# Altium PCB PCB1.PcbDoc (part 1 of 2) (continued)
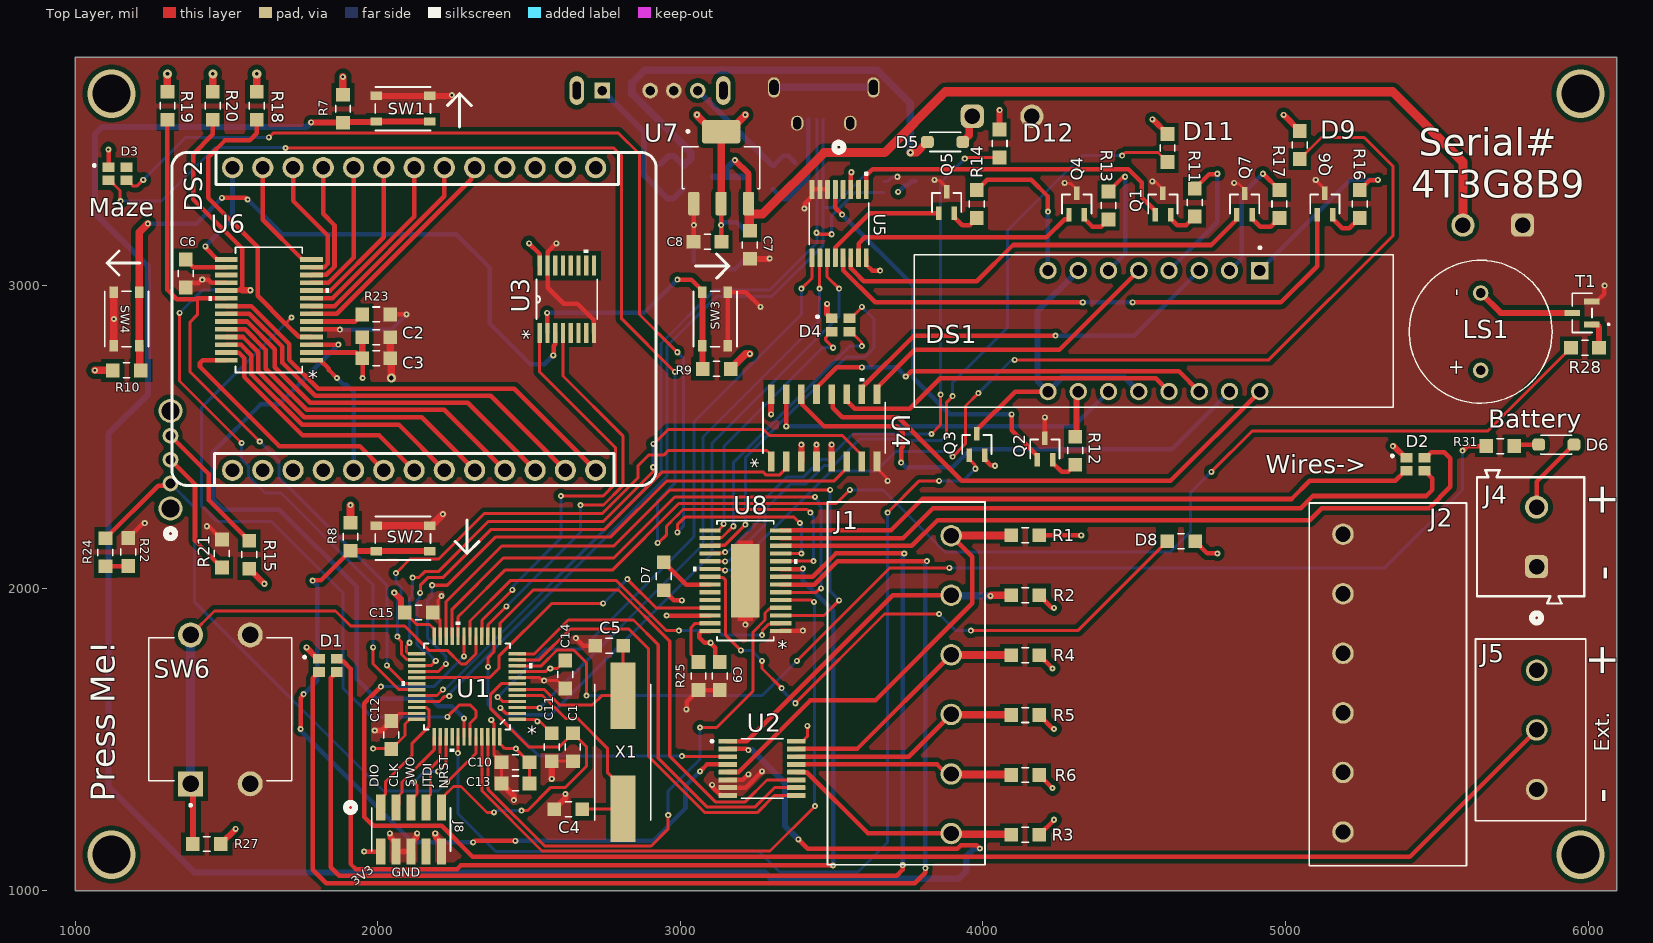
[diagram p0: Top Layer view]
## Footprints (in the part's own frame and the unit in brackets; to place one, negate y for a bottom-side part, rotate by r counter-clockwise, add the part's x,y. Pads: shape width x height; smd on the part's side, far side on the other; paste and mask are expansions set on the pad)
"16-DIP 4CHAR-7SEG" [mm]
  rect 1.458x1.458 / inner round 1.458 / far side rect 1.458x1.458 hole 0.95: 1(-8.89,-5.08)
  round 1.458 hole 0.95: 2(-6.35,-5.08) 3(-3.81,-5.08) 4(-1.27,-5.08) 5(1.27,-5.08) 6(3.81,-5.08) 7(6.35,-5.08) 8(8.89,-5.08) 9(8.89,5.08) 10(6.35,5.08) 11(3.81,5.08) 12(1.27,5.08) 13(-1.27,5.08) 14(-3.81,5.08) 15(-6.35,5.08) 16(-8.89,5.08)
  silkscreen extent -20.1,-7.1 20.1,6.4, body extent -20.1,-6.4 20.1,6.4, height 7
"16-SOIC 7-SEG DRIVER" [mil]
  rect 65.5x22 smd paste+0 mask+5: 1(-111.25,175) 2(-111.25,125) 3(-111.25,75) 4(-111.25,25) 5(-111.25,-25) 6(-111.25,-75) 7(-111.25,-125) 8(-111.25,-175) 9(111.25,-175) 10(111.25,-125) 11(111.25,-75) 12(111.25,-25) 13(111.25,25) 14(111.25,75) 15(111.25,125) 16(111.25,175)
  silkscreen extent -84,-202 164,202, body extent -122,-197 122,197, height 69
"16-TSSOP 1:2 SWITCH SN74CBTLV3257PWR" [mil]
  rect 66x14 smd paste-33 mask+0: 1(-111,89.57) 2(-111,63.98) 3(-111,38.39) 4(-111,12.8) 5(-111,-12.8) 6(-111,-38.39) 7(-111,-63.98) 8(-111,-89.57) 9(111,-89.57) 10(111,-63.98) 11(111,-38.39) 12(111,-12.8) 13(111,12.8) 14(111,38.39) 15(111,63.98) 16(111,89.57)
  silkscreen extent -66,-100 164,100, body extent -130,-101 130,101, height 47
"16-TSSOP MUX 8TO1" [mm]
  rrect25% 1.57x0.41 smd mask+0: 1(-2.87,2.275) 2(-2.87,1.625) 3(-2.87,0.975) 4(-2.87,0.325) 5(-2.87,-0.325) 6(-2.87,-0.975) 7(-2.87,-1.625) 8(-2.87,-2.275) 9(2.87,-2.275) 10(2.87,-1.625) 11(2.87,-0.975) 12(2.87,-0.325) 13(2.87,0.325) 14(2.87,0.975) 15(2.87,1.625) 16(2.87,2.275)
  silkscreen extent -4.29,-2.5 1.77,2.5
"28-HTSSOP 16LED DRIVER" [mil]
  rect 70x14 smd paste+0 mask+0: 1(-117,166.34) 2(-117,140.75) 3(-117,115.16) 4(-117,89.57) 5(-117,63.98) 6(-117,38.39) 7(-117,12.8) 8(-117,-12.8) 9(-117,-38.39) 10(-117,-63.98) 11(-117,-89.57) 12(-117,-115.16) 13(-117,-140.75) 14(-117,-166.34) 15(117,-166.34) 16(117,-140.75) 17(117,-115.16) 18(117,-89.57) 19(117,-63.98) 20(117,-38.39) 21(117,-12.8) 22(117,12.8) 23(117,38.39) 24(117,63.98) 25(117,89.57) 26(117,115.16) 27(117,140.75) 28(117,166.34)
  rect 94.49x242.91 smd paste+0 mask+0: 29(0,0)
  Top Layer region: 24.61,-121.46 -24.61,-121.46 -24.61,-121.46 -24.61,-121.46 -24.61,-131.69 24.61,-131.69 24.61,-121.46 24.61,-121.46
  Top Layer region: 24.61,121.46 -24.61,121.46 -24.61,121.46 -24.61,121.46 -24.61,131.69 24.61,131.69 24.61,121.46 24.61,121.46
  silkscreen extent -172,-198 172,198, body extent -130,-193 130,193, height 67
"28-SSOP LED MATRIX DRIVER" [mil]
  rect 75x16 smd paste+0 mask+0: 1(-141,166.34) 2(-141,140.75) 3(-141,115.16) 4(-141,89.57) 5(-141,63.98) 6(-141,38.39) 7(-141,12.8) 8(-141,-12.8) 9(-141,-38.39) 10(-141,-63.98) 11(-141,-89.57) 12(-141,-115.16) 13(-141,-140.75) 14(-141,-166.34) 15(141,-166.34) 16(141,-140.75) 17(141,-115.16) 18(141,-89.57) 19(141,-63.98) 20(141,-38.39) 21(141,-12.8) 22(141,12.8) 23(141,38.39) 24(141,63.98) 25(141,89.57) 26(141,115.16) 27(141,140.75) 28(141,166.34)
  silkscreen extent -198,-207 198,207, body extent -156,-202 156,202, height 79
48-LQFP [mil]
  rect 58x11 smd paste+0 mask+0: 1(-166,108.27) 2(-166,88.58) 3(-166,68.9) 4(-166,49.21) 5(-166,29.53) 6(-166,9.84) 7(-166,-9.84) 8(-166,-29.53) 9(-166,-49.21) 10(-166,-68.9) 11(-166,-88.58) 12(-166,-108.27) 25(166,-108.27) 26(166,-88.58) 27(166,-68.9) 28(166,-49.21) 29(166,-29.53) 30(166,-9.84) 31(166,9.84) 32(166,29.53) 33(166,49.21) 34(166,68.9) 35(166,88.58) 36(166,108.27)
  rect 11x58 smd paste+0 mask+0: 13(-108.27,-166) 14(-88.58,-166) 15(-68.9,-166) 16(-49.21,-166) 17(-29.53,-166) 18(-9.84,-166) 19(9.84,-166) 20(29.53,-166) 21(49.21,-166) 22(68.9,-166) 23(88.58,-166) 24(108.27,-166) 37(108.27,166) 38(88.58,166) 39(68.9,166) 40(49.21,166) 41(29.53,166) 42(9.84,166) 43(-9.84,166) 44(-29.53,166) 45(-49.21,166) 46(-68.9,166) 47(-88.58,166) 48(-108.27,166)
  silkscreen extent -215,-215 215,215, body extent -181,-181 181,181, height 63
0805 [mm]
  rect 1.15x1.15 smd: 1(-1.175,0) 2(1.175,0)
  silkscreen extent -0.28,-0.63 0.28,0.63, body extent -1,-0.63 1,0.63, height 0.7
"BUZZER CEM-1203(42)" [mm]
  round 1.308 hole 0.8: N(3.25,0) P(-3.25,0)
  silkscreen extent -6,-6 6,6, body extent -6,-6 6,6, height 8.5
"CON 2POS SCREW 5.00MM" [mm]
  rrect50% 1.95x1.95 hole 1.3: 1(-2.5,-0.5)
  round 1.95 hole 1.3: 2(2.5,-0.5)
  silkscreen extent -5.6,-4.5 5.6,4.5, body extent -5.6,-4.5 5.6,4.5, height 12.65
"CON 6POS SCREW 5.00MM" [mil] "45deg"
  round 71 / inner round 60 / far side round 71 hole 51 paste-99999 mask+0: 1(-984.25,0) 2(-787.4,0) 3(-590.55,0) 4(-393.7,0) 5(-196.85,0) 6(0,0)
  silkscreen extent -1088,-111 111,409, body extent -1079,-107 125,397, height 469
"CON 10PIN 2ROW 1.27MM" [mil]
  rect 30x87 smd paste+0 mask+0: 1(0,0) 2(50,0) 3(100,0) 4(150,0) 5(200,0) 6(0,-145.67) 7(50,-145.67) 8(100,-145.67) 9(150,-145.67) 10(200,-145.67)
  silkscreen extent -115,-145 230,15
"CONN 3POS 5.00MM" [mil]
  round 71 / inner round 60 / far side round 71 hole 51 paste-99999 mask+0: 1(0,0) 2(196.85,0) 3(393.7,0)
  silkscreen extent -188,-202 497,162
"LED MATRIX 9X16 CHARLIE" [mil]
  round 70 hole 45: 1(0,1000) 2(100,1000) 3(200,1000) 4(300,1000) 5(400,1000) 6(500,1000) 7(600,1000) 8(700,1000) 9(800,1000) 10(900,1000) 11(1000,1000) 12(1100,1000) 13(1200,1000) 14(0,0) 15(100,0) 16(200,0) 17(300,0) 18(400,0) 19(500,0) 20(600,0) 21(700,0) 22(800,0) 23(900,0) 24(1000,0) 25(1100,0) 26(1200,0)
  silkscreen extent -200,-50 1400,1050
OS102011MA1QN1 [mil]
  round 52 / inner round 60 / far side round 52 hole 32 paste-99999 mask+0: 1(0,0) 2(78.74,0) 3(157.48,0)
  round 79 / inner round 60 / far side round 79 hole 59 paste-99999 mask+0: 4(-82.68,0) 5(240.16,0)
  silkscreen extent -181,-248 253,92
"OSC 16MHZ" [mm]
  rect 5.6x2.1 smd: 1(-4.75,0) 2(4.75,0)
  silkscreen extent -5.7,-2.35 5.7,2.35, body extent -6.35,-2.35 6.35,2.35, height 4.2
"OVAL BUTTON" [mil]
  rect 39x28 smd paste+0 mask+5: 1(-88.58,42.32) 2(88.58,42.32) 3(-88.58,-42.32) 4(88.58,-42.32)
  silkscreen extent -92,-72 92,72
"RBG LED 4-SMD" [mm]
  rect 1x0.8 smd mask+0: 1(-0.75,0.55) 2(0.75,0.55) 3(0.75,-0.55) 4(-0.75,-0.55)
  silkscreen extent -2.05,0.6 -1.85,0.8
"SOD-123F DIODE SCHOTTKY" [mm]
  rrect53% 1.07x1.03 smd: 1(-1.485,0) 2(1.485,0)
  silkscreen extent -1.3,-0.8 1.3,0.8, body extent -1.75,-0.8 1.75,0.8, height 0.9
"SOT-23 TRANSISTOR" [mil]
  rect 20x51 smd paste+0 mask+3: 1(-37.75,-32.5) 2(37.75,-32.5) 3(0,32.5)
  silkscreen extent -65,-91 65,33, body extent -60,-52 60,52, height 48
"SOT-23F MOS PMOS 30V 6A" [mil]
  rect 22x24 smd paste+0 mask+2: 1(-37.4,-49) 2(37.4,-49) 3(0,49)
  silkscreen extent -112,-54 62,41, body extent -57,-43 57,43, height 37
"SOT-223 LIN REG 3V3" [mm]
  rrect25% 1.98x0.93 smd: 1(-3.015,2.3) 2(-3.015,0) 3(-3.015,-2.3)
  rrect25% 1.98x3.23 smd: 4(3.015,0)
  silkscreen extent -1.75,-3.25 3.15,3.25
"SOT-323 MOS" [mil]
  rect 18x44 smd paste+0 mask+0: 1(-25.59,-35.5) 2(25.59,-35.5) 3(0,35.5)
  silkscreen extent -48,-32 48,32, body extent -44,-44 44,44, height 39
"SOT-457 USB ESD" [mil]
  rect 43.5x18 smd paste+0 mask+0: 1(-51.25,37.4) 2(-51.25,0) 3(-51.25,-37.4) 4(51.25,-37.4) 5(51.25,0) 6(51.25,37.4)
  silkscreen extent -34,-62 34,62, body extent -59,-57 59,57, height 43
"SWITCH OFF-MOM" [mm]
  rect 2.1x2.1 / inner round 2.1 / far side rect 2.1x2.1 hole 1.4: 1(-6.25,2.5)
  round 2.1 hole 1.4: 2(6.25,2.5) 3(-6.25,-2.5) 4(6.25,-2.5)
  silkscreen extent -8.15,-6 6,6, body extent -7.05,-6 7.05,6, height 7.36
"SWITCH ON-ON-ON 300MA SLW-1277545-2A-RA-S-D" [mm]
  rect 1.308x1.308 / inner round 1.308 / far side rect 1.308x1.308 hole 0.8: 1(-4,0)
  round 1.308 hole 0.8: 2(0,0) 3(2,0) 4(4,0)
  oval 1.208x2.416 hole 0.7 slot 1.5 at 90 deg: SH1(-6.15,0) SH2(6.15,0)
  silkscreen extent -6.35,-2.25 6.35,3.1
"USB MICRO AB 0475900001" [mil]
  rect 16x53 smd paste+0 mask+0: 1(51.18,-92.46) 2(25.59,-92.46) 3(0,-92.46) 4(-25.59,-92.46) 5(-51.18,-92.46)
  oval 42x49 / inner round 60 / far side oval 42x49 hole 26 slot 40 at 90 deg paste-99999 mask+0: 6(-87.6,-79.66) 7(87.6,-79.66)
  oval 40x67 / inner round 60 / far side oval 40x67 hole 30 slot 50 at 90 deg paste-99999 mask+0: 8(-164.37,-197.77) 9(164.37,-197.77)
  rect 114x75 smd paste-57 mask-57: 10(0,-197.77)
  silkscreen extent -166,-311 166,15

## Part data
C1 C3 C6 C9 C10 C11 C12 C15: library part "CAP CER 0.1uF 50V 0805", "Ceramic Capacitor, Multilayer, Ceramic, 50V, 10% +Tol, 10% -Tol, X7R, 15% TC, 0.1uF, Surface Mount, 0805", Capacitor Type=Ceramic, Case/Package=0805, Manufacturer=Yageo, Manufacturer Part Number=CC0805KRX7R9BB104, Max Operating Temperature=125°C, Min Operating Temperature=-55°C, Package Shape=Rectangular, Package Style=SMTMeter, Rated DC Voltage (URdc)=50V, Supplier Part Number=311-1140-1-ND, Temperature Characteristics Code=X7R, Tolerance  (fill in as +-)=10%, Category="Ceramic Capacitors", ComponentLink1Description=https://datasheet.ciiva.com:443/pdfs/VipMasterIC/IC/YAGO/YAGO-S-A0003557223/YAGO-S-A0003557223-1.pdf?src-supplier=IHS+Markit, ComponentLink1URL=https://datasheet.ciiva.com:443/pdfs/VipMasterIC/IC/YAGO/YAGO-S-A0003557223/YAGO-S-A0003557223-1.pdf?src-supplier=IHS+Markit, ComponentLink2Description=https://datasheet.ciiva.com/11786/0900766b80d84f1d-11786009.pdf?src-supplier=Rs, ComponentLink2URL=https://datasheet.ciiva.com/11786/0900766b80d84f1d-11786009.pdf?src-supplier=Rs, ComponentLink3Description=https://datasheet.ciiva.com/11464/upy-gphc-x7r-6-3v-to-50v-8-11464757.pdf?src-supplier=Avnet, ComponentLink3URL=https://datasheet.ciiva.com/11464/upy-gphc-x7r-6-3v-to-50v-8-11464757.pdf?src-supplier=Avnet, ComponentLink4Description=https://datasheet.ciiva.com/155/mlccorderingcode-155930.pdf?src-supplier=Digikey, ComponentLink4URL=https://datasheet.ciiva.com/155/mlccorderingcode-155930.pdf?src-supplier=Digikey, ComponentLink5Description=https://datasheet.ciiva.com/28450/1489800-28450805.pdf?src-supplier=Element14, ComponentLink5URL=https://datasheet.ciiva.com/28450/1489800-28450805.pdf?src-supplier=Element14, ComponentLink6Description=https://datasheet.ciiva.com/46393/1734573-46393307.pdf?src-supplier=Element14, ComponentLink6URL=https://datasheet.ciiva.com/46393/1734573-46393307.pdf?src-supplier=Element14, ComponentLink7Description=https://datasheet.ciiva.com/155/mlccorderingcode-155929.pdf?src-supplier=Digikey, ComponentLink7URL=https://datasheet.ciiva.com/155/mlccorderingcode-155929.pdf?src-supplier=Digikey, ComponentLink8Description=https://datasheet.ciiva.com/155/mlccorderingcode-155931.pdf?src-supplier=Digikey, ComponentLink8URL=https://datasheet.ciiva.com/155/mlccorderingcode-155931.pdf?src-supplier=Digikey, ComponentLink9Description=https://datasheet.ciiva.com/29242/445210-da-01-en-kerko-chip-0805-x7r-0-1uf-10proz-50vg-29242074.pdf?src-supplier=Conrad, ComponentLink9URL=https://datasheet.ciiva.com/29242/445210-da-01-en-kerko-chip-0805-x7r-0-1uf-10proz-50vg-29242074.pdf?src-supplier=Conrad, Dielectric Material=Ceramic, Height=0.85mm, JESD-609 Code=e3, Length=2mm, Mounting Technology="Surface Mount", Multilayer=Yes, Packaging="Tape and Reel", Pins=2, Pricing="1=0.08, 10=0.027, 100=0.0192, 1000=0.0136 (USD)", Reach SVHC Compliant=Yes, RoHS=Yes, RoHS Compliant=Yes, Stock=2043650, Supplier=Digikey, Terminal Finish=Nickel, Termination=Wraparound, Tolerance (fill in as +-)=10%, Width=1.25mm
C2 C7 C14: library part "CAP CER 1uF 50V 0805", "Ceramic Capacitor, Multilayer, Ceramic, 50V, 10% +Tol, 10% -Tol, X7R, 15% TC, 1uF, Surface Mount, 0805", Capacitor Type=Ceramic, Case/Package=0805, Manufacturer=Samsung, Manufacturer Part Number=CL21B105KBFNNNE, Max Operating Temperature=125°C, Min Operating Temperature=-55°C, Package Shape=Rectangular, Package Style=SMTMeter, Rated DC Voltage (URdc)=50V, Supplier Part Number=1276-1029-1-ND, Temperature Characteristics Code=X7R, Tolerance  (fill in as +-)=10%, Category="Ceramic Capacitors", ComponentLink1Description=https://datasheet.ciiva.com:443/pdfs/VipMasterIC/IC/SEMS/SEMS-S-A0008524728/SEMS-S-A0008523023-1.pdf?src-supplier=IHS+Markit, ComponentLink1URL=https://datasheet.ciiva.com:443/pdfs/VipMasterIC/IC/SEMS/SEMS-S-A0008524728/SEMS-S-A0008523023-1.pdf?src-supplier=IHS+Markit, ComponentLink2Description=https://datasheet.ciiva.com/16449/cl21b105kbfnnne-16449003.pdf?src-supplier=Future+Electronics, ComponentLink2URL=https://datasheet.ciiva.com/16449/cl21b105kbfnnne-16449003.pdf?src-supplier=Future+Electronics, ComponentLink3Description=https://datasheet.ciiva.com/25800/cl21b105kbfnnne-25800291.pdf?src-supplier=Digikey, ComponentLink3URL=https://datasheet.ciiva.com/25800/cl21b105kbfnnne-25800291.pdf?src-supplier=Digikey, Dielectric Material=Ceramic, Height=1.35mm, JESD-609 Code=e3, Length=2mm, Mounting Technology="Surface Mount", Multilayer=Yes, Packaging="Tape and Reel", Pins=2, Pricing="1=0.08, 10=0.024, 100=0.016, 1000=0.01299 (USD)", Reach SVHC Compliant=Yes, RoHS=Yes, RoHS Compliant=Yes, Stock=365183, Supplier=Digikey, Terminal Finish=Nickel, Termination=Wraparound, Tolerance (fill in as +-)=10%, Width=1.25mm
C4 C5: library part "CAP CER 24pF 5% 50V 0805", "CAP CER 24PF 50V NPO 0805", Manufacturer=Yageo, Manufacturer Part Number=CC0805JRNPO9BN240, Supplier Part Number=311-4231-1-ND, Category="Ceramic Capacitors", ComponentLink1Description=https://datasheet.ciiva.com/13263/upy-gp-np0-16v-to-50v-8-3714-13263821.pdf?src-supplier=Mouser, ComponentLink1URL=https://datasheet.ciiva.com/13263/upy-gp-np0-16v-to-50v-8-3714-13263821.pdf?src-supplier=Mouser, Pricing="1=0.12, 10=0.067, 100=0.0407, 1000=0.02693 (USD)", RoHS=Yes, Stock=4936, Supplier=Digikey
C8 C13: library part "CAP CER 4.7uF 50V 0805", "Ceramic Capacitor, Multilayer, Ceramic, 25V, 10% +Tol, 10% -Tol, X5R, 15% TC, 4.7uF, Surface Mount, 0805", Capacitor Type=Ceramic, Case/Package=0805, Manufacturer=Samsung, Manufacturer Part Number=CL21A475KAQNNNE, Max Operating Temperature=85°C, Min Operating Temperature=-55°C, Package Shape=Rectangular, Package Style=SMTMeter, Rated DC Voltage (URdc)=25V, Supplier Part Number=1276-1244-1-ND, Temperature Characteristics Code=X5R, Tolerance  (fill in as +-)=10%, Category="Ceramic Capacitors", ComponentLink1Description=https://datasheet.ciiva.com:443/pdfs/VipMasterIC/IC/SEMS/SEMS-S-A0008528919/SEMS-S-A0008528938-1.pdf?src-supplier=IHS+Markit, ComponentLink1URL=https://datasheet.ciiva.com:443/pdfs/VipMasterIC/IC/SEMS/SEMS-S-A0008528919/SEMS-S-A0008528938-1.pdf?src-supplier=IHS+Markit, ComponentLink2Description=https://datasheet.ciiva.com/25798/cl21a475kaqnnne-25798882.pdf?src-supplier=Digikey, ComponentLink2URL=https://datasheet.ciiva.com/25798/cl21a475kaqnnne-25798882.pdf?src-supplier=Digikey, Dielectric Material=Ceramic, Height=1.4mm, JESD-609 Code=e3, Length=2mm, Mounting Technology="Surface Mount", Multilayer=Yes, Packaging="Tape and Reel", Pins=2, Pricing="1=0.1, 10=0.057, 100=0.0337, 1000=0.02199 (USD)", Reach SVHC Compliant=Yes, RoHS=Yes, RoHS Compliant=Yes, Stock=2361940, Supplier=Digikey, Terminal Finish=Nickel, Termination=Wraparound, Tolerance (fill in as +-)=10%, Width=1.25mm
D1 D2 D3 D4: library part "DI LED RGB ComAnode", "Visible LED", Manufacturer=Cree, Manufacturer Part Number=CLMVC-FKA-CL1D1L71BB7C3C3, Supplier Part Number=CLMVC-FKA-CL1D1L71BB7C3C3CT-ND, Category=LEDs, ComponentLink1Description=https://datasheet.ciiva.com:443/pdfs/VipMasterIC/IC/CREE/CREE-S-A0009778054/CREE-S-A0009830979-1.pdf?src-supplier=IHS+Markit, ComponentLink1URL=https://datasheet.ciiva.com:443/pdfs/VipMasterIC/IC/CREE/CREE-S-A0009778054/CREE-S-A0009830979-1.pdf?src-supplier=IHS+Markit, ComponentLink2Description=http://www.farnell.com/datasheets/2813774.pdf?src-supplier=Farnell, ComponentLink2URL=http://www.farnell.com/datasheets/2813774.pdf?src-supplier=Farnell, ComponentLink3Description=http://www.mouser.com/ds/2/90/1273-CLMVC-FKA-1064221.pdf?src-supplier=Mouser, ComponentLink3URL=http://www.mouser.com/ds/2/90/1273-CLMVC-FKA-1064221.pdf?src-supplier=Mouser, ComponentLink4Description=http://www.farnell.com/datasheets/2813774.pdf?src-supplier=Newark, ComponentLink4URL=http://www.farnell.com/datasheets/2813774.pdf?src-supplier=Newark, ComponentLink5Description=http://www.farnell.com/datasheets/2813774.pdf?src-supplier=Element14, ComponentLink5URL=http://www.farnell.com/datasheets/2813774.pdf?src-supplier=Element14, ComponentLink6Description=http://www.cree.com/led-components/media/documents/1273-CLMVC-FKA.pdf?src-supplier=Digikey, ComponentLink6URL=http://www.cree.com/led-components/media/documents/1273-CLMVC-FKA.pdf?src-supplier=Digikey, ComponentLink7Description=https://www.cree.com/led-components/media/documents/1273-CLMVC-FKA.pdf?src-supplier=Digikey, ComponentLink7URL=https://www.cree.com/led-components/media/documents/1273-CLMVC-FKA.pdf?src-supplier=Digikey, Optoelectronic Device Type="TRIPLE COLOR LED", Pricing="1=0.23, 10=0.212, 100=0.1961, 1000=0.175 (USD)", RoHS=Yes, RoHS Compliant=Yes, Stock=54235, Supplier=Digikey
D5 D6: library part "Diode Schottky 25V 1A", "Rectifier Diode, Schottky, 1 Phase, 1 Element, 1A, 25V V(RRM), Silicon", Forward Voltage=320mV, Manufacturer=Rohm, Manufacturer Part Number=RB161MM-20TR, Max Operating Temperature=125°C, Non-rep Pk Forward Current-Max=30A, Package Body Material=Plastic, Package Shape=Rectangular, Package Style="SMALL OUTLINEMeter", Rep Pk Reverse Voltage-Max=25V, Supplier Part Number=RB161MM-20CT-ND, Additional Feature="HIGH RELIABILITY", Category="Schottky Diodes", ComponentLink1Description=https://datasheet.ciiva.com:443/pdfs/VipMasterIC/IC/ROHM/ROHM-S-A0008264857/ROHM-S-A0008264857-1.pdf?src-supplier=IHS+Markit, ComponentLink1URL=https://datasheet.ciiva.com:443/pdfs/VipMasterIC/IC/ROHM/ROHM-S-A0008264857/ROHM-S-A0008264857-1.pdf?src-supplier=IHS+Markit, ComponentLink2Description=http://www.farnell.com/datasheets/2646198.pdf?src-supplier=Farnell, ComponentLink2URL=http://www.farnell.com/datasheets/2646198.pdf?src-supplier=Farnell, ComponentLink3Description=http://datasheet.octopart.com/RB161MM-20TR-Rohm-datasheet-138897563.pdf?src-supplier=Digikey, ComponentLink3URL=http://datasheet.octopart.com/RB161MM-20TR-Rohm-datasheet-138897563.pdf?src-supplier=Digikey, ComponentLink4Description=http://rohmfs.rohm.com/en/techdata_basic/diode/taping/Taping_PMDU(M)_TR-e.pdf?src-supplier=Digikey, ComponentLink4URL=http://rohmfs.rohm.com/en/techdata_basic/diode/taping/Taping_PMDU(M)_TR-e.pdf?src-supplier=Digikey, ComponentLink5Description=http://datasheet.octopart.com/RB161MM-20TR-Rohm-datasheet-138897563.pdf?src-supplier=Avnet, ComponentLink5URL=http://datasheet.octopart.com/RB161MM-20TR-Rohm-datasheet-138897563.pdf?src-supplier=Avnet, ComponentLink6Description=http://datasheet.octopart.com/RB161MM-20TR-Rohm-datasheet-138897563.pdf?src-supplier=Mouser, ComponentLink6URL=http://datasheet.octopart.com/RB161MM-20TR-Rohm-datasheet-138897563.pdf?src-supplier=Mouser, ComponentLink7Description=http://www.farnell.com/datasheets/2646198.pdf?src-supplier=Newark, ComponentLink7URL=http://www.farnell.com/datasheets/2646198.pdf?src-supplier=Newark, ComponentLink8Description=http://datasheet.octopart.com/RB161MM-20TR-Rohm-datasheet-138897563.pdf?src-supplier=Rs, ComponentLink8URL=http://datasheet.octopart.com/RB161MM-20TR-Rohm-datasheet-138897563.pdf?src-supplier=Rs, ComponentLink9Description=https://datasheet.octopart.com/RB161MM-20TR-Rohm-datasheet-97465509.pdf?src-supplier=Future+Electronics, ComponentLink9URL=https://datasheet.octopart.com/RB161MM-20TR-Rohm-datasheet-97465509.pdf?src-supplier=Future+Electronics, ComponentLink10Description=http://datasheet.octopart.com/RB161MM-20TR-Rohm-datasheet-138897563.pdf?src-supplier=Quest, ComponentLink10URL=http://datasheet.octopart.com/RB161MM-20TR-Rohm-datasheet-138897563.pdf?src-supplier=Quest, ComponentLink11Description=http://datasheet.octopart.com/RB161MM-20TR-Rohm-datasheet-138897563.pdf?src-supplier=TTI, ComponentLink11URL=http://datasheet.octopart.com/RB161MM-20TR-Rohm-datasheet-138897563.pdf?src-supplier=TTI, Diode Element Material=SILICON, Diode Type=RECTIFIER, JESD-30 Code=R-PDSO-F2, Max Output current=1A, Moisture Sensitivity Level=1, Number of Elements=1, Pins=2, Pricing="1=0.48, 10=0.297, 100=0.1885, 500=0.14128, 1000=0.12601 (USD)", Reach SVHC Compliant=Yes, RoHS=Yes, RoHS Compliant=Yes, Stock=16963, Supplier=Digikey, Surface Mount=Yes, Technology=SCHOTTKY, Terminal Form=Flat, Terminal Position=DUAL
D7 D8 D9 D10 D11 D12: library part "DIO LED RED 2V 0805", "Single Color LED, Red Orange, Water Clear, 1.4mm", Color=Red,Orange, Color@wavelength=Orange, Forward Current=30mA, Forward Voltage=2.4V, Manufacturer="Vishay Lite-On", Manufacturer Part Number=LTST-C170KAKT, Max Operating Temperature=85°C, Min Operating Temperature=-55°C, Reverse Voltage-Max=5V, Supplier Part Number=160-1412-1-ND, Category=LEDs, Channels=1, ComponentLink1Description=https://datasheet.ciiva.com:443/pdfs/VipMasterIC/IC/LITE/LITES11806/LITES11806-1.pdf?src-supplier=IHS+Markit, ComponentLink1URL=https://datasheet.ciiva.com:443/pdfs/VipMasterIC/IC/LITE/LITES11806/LITES11806-1.pdf?src-supplier=IHS+Markit, ComponentLink2Description=https://datasheet.ciiva.com/2110/ltst-c170kakt-2110491.pdf?src-supplier=Digikey, ComponentLink2URL=https://datasheet.ciiva.com/2110/ltst-c170kakt-2110491.pdf?src-supplier=Digikey, ComponentLink3Description=https://datasheet.ciiva.com/12403/ltstc170kaktliteon-201792-12403844.pdf?src-supplier=Mouser, ComponentLink3URL=https://datasheet.ciiva.com/12403/ltstc170kaktliteon-201792-12403844.pdf?src-supplier=Mouser, ComponentLink4Description=https://datasheet.ciiva.com/2110/s-110-ltst-c170kakt-2110492.pdf?src-supplier=Digikey, ComponentLink4URL=https://datasheet.ciiva.com/2110/s-110-ltst-c170kakt-2110492.pdf?src-supplier=Digikey, ComponentLink5Description=https://datasheet.ciiva.com/2110/s-110-ltst-c170kakt-2110493.pdf?src-supplier=Digikey, ComponentLink5URL=https://datasheet.ciiva.com/2110/s-110-ltst-c170kakt-2110493.pdf?src-supplier=Digikey, Lens Style="WATER CLEAR", Luminous Intensity-Nom=55mcd, Mounting Technology="Surface Mount", Optoelectronic Device Type="SINGLE COLOR LED", Overall Height=1.1mm, Packaging="Tape and Reel", Pins=2, Pricing="1=0.22, 10=0.153, 100=0.1065, 500=0.08542, 1000=0.07842 (USD)", Reach SVHC Compliant=Yes, RoHS=Yes, RoHS Compliant=Yes, Shape=Rectangular, Size=1.4mm, Stock=5192, Supplier=Digikey, Terminal Pitch=2.1mm, Viewing Angle=130°
DS1: library part "DISP 7-seg 4Char Clock", "Clock LED Display, 4-Character, Red, 10mm", Color=Red, Forward Current=25mA, Forward Voltage=2.4V, Manufacturer=Vishay, Max Operating Temperature=85°C, Min Operating Temperature=-40°C, Supplier Part Number=TDCR1060M-ND, Category=Optoelectronics, Channels=4, Color@wavelength=Red, ComponentLink1Description=https://datasheet.ciiva.com:443/pdfs/VipMasterIC/IC/VISH/VISH-S-A0003301798/VISH-S-A0004391181-1.pdf?src-supplier=IHS+Markit, ComponentLink1URL=https://datasheet.ciiva.com:443/pdfs/VipMasterIC/IC/VISH/VISH-S-A0003301798/VISH-S-A0004391181-1.pdf?src-supplier=IHS+Markit, ComponentLink2Description=https://datasheet.ciiva.com/18549/tdc10m-18549753.pdf?src-supplier=Digikey, ComponentLink2URL=https://datasheet.ciiva.com/18549/tdc10m-18549753.pdf?src-supplier=Digikey, Display Height=10mm, Manufacturer Part Number=TDCR1060M, Number of Characters=4, Optoelectronic Device Type="CLOCK LED DISPLAY", Pricing="1=3.34, 12=2.39083, 108=1.8975, 504=1.67593, 1008=1.59991, 2004=1.53608, 5004=1.46597 (USD)", RoHS=Yes, RoHS Compliant=Yes, Stock=3748, Supplier=Digikey
DS2: library part "LEDARR 2973 9X16"
J1 J2: library part "CONN SCREW 6pos 45Deg 5mm", "Barrier Strip Terminal Block, 17.5A, 2.5mm2, 1 Row(s), 1 Deck(s)", Current Rating=17.5A, Manufacturer="Phoenix Contact", Manufacturer Part Number=1988846, Supplier Part Number=277-1768-ND, Voltage Rating=250V, Category="Terminal Blocks", ComponentLink1Description=https://datasheet.ciiva.com:443/pdfs/VipMasterIC/IC/PCON/PCONS10841/PCONS10841-1.pdf?src-supplier=IHS+Markit, ComponentLink1URL=https://datasheet.ciiva.com:443/pdfs/VipMasterIC/IC/PCON/PCONS10841/PCONS10841-1.pdf?src-supplier=IHS+Markit, ComponentLink2Description=https://datasheet.ciiva.com/16051/1988846-16051352.pdf?src-supplier=Onlinecomponents.com, ComponentLink2URL=https://datasheet.ciiva.com/16051/1988846-16051352.pdf?src-supplier=Onlinecomponents.com, ComponentLink3Description=https://datasheet.ciiva.com/14820/1988846-14820464.pdf?src-supplier=Arrow+Electronics, ComponentLink3URL=https://datasheet.ciiva.com/14820/1988846-14820464.pdf?src-supplier=Arrow+Electronics, ComponentLink4Description=https://datasheet.ciiva.com/26340/567909-da-01-nl-printklem-1988846-100-st-26340596.pdf?src-supplier=Conrad, ComponentLink4URL=https://datasheet.ciiva.com/26340/567909-da-01-nl-printklem-1988846-100-st-26340596.pdf?src-supplier=Conrad, ComponentLink5Description=https://datasheet.ciiva.com/14610/70055186-14610565.pdf?src-supplier=Allied+Electronics, ComponentLink5URL=https://datasheet.ciiva.com/14610/70055186-14610565.pdf?src-supplier=Allied+Electronics, ComponentLink6Description=https://datasheet.ciiva.com/823/combiconcompact5-0mmseries-823782.pdf?src-supplier=Digikey, ComponentLink6URL=https://datasheet.ciiva.com/823/combiconcompact5-0mmseries-823782.pdf?src-supplier=Digikey, Fastening Method=SCREW, Manufacturer Series=1988846, Mounting Technology=Board, Number of Decks=1, Number of Rows=1, Number of Ways=6, Pricing="1=1.88, 10=1.345, 25=1.246, 50=1.2338 (USD)", Reach SVHC Compliant=No, RoHS=Yes, RoHS Compliant=Yes, Safety Approval=UL, Stock=343, Supplier=Digikey, Terminal and Terminal Block Type="BARRIER STRIP TERMINAL BLOCK", Wire Cross Section=2.5mm2, Wire/Cable Gauge=14AWG
J3 J4 J6: library part "CON Screw 2Pos 5.00mm", "Barrier Strip Terminal Block", Manufacturer="Wurth Electronics", Manufacturer Part Number=691137710002, Supplier Part Number=732-10955-ND, Category="Terminal Blocks", ComponentLink1Description=https://datasheet.ciiva.com:443/pdfs/VipMasterIC/IC/MIDC/MIDC-S-A0005074262/MIDC-S-A0004711666-1.pdf?src-supplier=IHS+Markit, ComponentLink1URL=https://datasheet.ciiva.com:443/pdfs/VipMasterIC/IC/MIDC/MIDC-S-A0005074262/MIDC-S-A0004711666-1.pdf?src-supplier=IHS+Markit, ComponentLink2Description=https://katalog.we-online.de/em/datasheet/691137710002.pdf?src-supplier=Digikey, ComponentLink2URL=https://katalog.we-online.de/em/datasheet/691137710002.pdf?src-supplier=Digikey, Pricing="1=0.36, 10=0.327, 50=0.288, 100=0.2583, 500=0.2493 (USD)", RoHS=No, RoHS Compliant=Yes, Stock=25735, Supplier=Digikey
J5: library part "CONN SCREW 3pos 5.0mm", "Barrier Strip Terminal Block, 17.5A, 1.5mm2, 1 Row(s), 1 Deck(s)", Current Rating=17.5A, Manufacturer="Phoenix Contact", Manufacturer Part Number=1935174, Supplier Part Number=277-1578-ND, Voltage Rating=250V, Category="Terminal Blocks", ComponentLink1Description=https://datasheet.ciiva.com:443/pdfs/VipMasterIC/IC/PCON/PCON-S-A0007661889/PCON-S-A0008047997-1.pdf?src-supplier=IHS+Markit, ComponentLink1URL=https://datasheet.ciiva.com:443/pdfs/VipMasterIC/IC/PCON/PCON-S-A0007661889/PCON-S-A0008047997-1.pdf?src-supplier=IHS+Markit, ComponentLink2Description=https://datasheet.ciiva.com/16047/1935174-16047249.pdf?src-supplier=Onlinecomponents.com, ComponentLink2URL=https://datasheet.ciiva.com/16047/1935174-16047249.pdf?src-supplier=Onlinecomponents.com, ComponentLink3Description=https://datasheet.ciiva.com/15169/getdatasheetpartid-212213-15169949.pdf?src-supplier=Verical, ComponentLink3URL=https://datasheet.ciiva.com/15169/getdatasheetpartid-212213-15169949.pdf?src-supplier=Verical, ComponentLink4Description=https://datasheet.ciiva.com/823/combiconcompact5-0mmseries-823761.pdf?src-supplier=Digikey, ComponentLink4URL=https://datasheet.ciiva.com/823/combiconcompact5-0mmseries-823761.pdf?src-supplier=Digikey, ComponentLink5Description=https://datasheet.ciiva.com/29218/744167-da-01-en-printklemme-pt-1-5-3-5-0-h-29218252.pdf?src-supplier=Conrad, ComponentLink5URL=https://datasheet.ciiva.com/29218/744167-da-01-en-printklemme-pt-1-5-3-5-0-h-29218252.pdf?src-supplier=Conrad, Fastening Method=SCREW, Manufacturer Series=1935174, Mounting Technology=Board, Number of Decks=1, Number of Rows=1, Number of Ways=3, Pricing="1=1.04, 10=0.748, 25=0.6516, 50=0.5892, 100=0.5688 (USD)", Reach SVHC Compliant=No, RoHS=Yes, RoHS Compliant=Yes, Safety Approval=UL, Stock=18353, Supplier=Digikey, Terminal and Terminal Block Type="BARRIER STRIP TERMINAL BLOCK", Wire Cross Section=1.5mm2, Wire/Cable Gauge=14AWG
J7: library part "CON USB micro ab", "USB Connector, 5 Contact(s), Female, Right Angle, Surface Mount Terminal, Locking, Receptacle", Contact Resistance=30mR, Dielectric Withstanding Voltage (AC)=141V, Insulation Resistance=1GR, Manufacturer=Molex, Manufacturer Part Number=47590-0001, Max Operating Temperature=85°C, Min Operating Temperature=-30°C, Rated Current (Signal)=1A, Supplier Part Number=WM17144CT-ND, Additional Feature=Shielded, Board Mounting Option=PEG, Body Breadth=0.118inch, Body Depth=0.232inch, Body Length=0.295inch, Body/Shell Style=RECEPTACLE, Category="USB Connectors", ComponentLink1Description=https://datasheet.ciiva.com:443/pdfs/VipMasterIC/IC/MOLE/MOLE-S-A0000442751/MOLE-S-A0000443003-1.pdf?src-supplier=IHS+Markit, ComponentLink1URL=https://datasheet.ciiva.com:443/pdfs/VipMasterIC/IC/MOLE/MOLE-S-A0000442751/MOLE-S-A0000443003-1.pdf?src-supplier=IHS+Markit, ComponentLink2Description=https://datasheet.ciiva.com/11731/0900766b80dfe0a6-11731294.pdf?src-supplier=Rs, ComponentLink2URL=https://datasheet.ciiva.com/11731/0900766b80dfe0a6-11731294.pdf?src-supplier=Rs, ComponentLink3Description=https://datasheet.ciiva.com/1098/1597781-1098479.pdf?src-supplier=Element14, ComponentLink3URL=https://datasheet.ciiva.com/1098/1597781-1098479.pdf?src-supplier=Element14, ComponentLink4Description=https://datasheet.ciiva.com/16148/0475900001-io-connectors-16148922.pdf?src-supplier=Onlinecomponents.com, ComponentLink4URL=https://datasheet.ciiva.com/16148/0475900001-io-connectors-16148922.pdf?src-supplier=Onlinecomponents.com, Connector Type="TELECOM AND DATACOM CONNECTOR", Contact Finish - Mating=GOLD, Contact Finish - Termination="Gold (Au)", Contact Gender=Female, Contact Material="Copper Alloy", DIN Conformance=No, Durability=10000Cycles, Empty Shell=No, Filter Feature=No, IEC Conformance=No, Insulation Material=Polymer, JESD-609 Code=e4, MIL Conformance=No, Mixed Contacts=No, Mounting Option 1=LOCKING, Mounting Style="RIGHT ANGLE", Mounting Technology=Cable, Number Of Connectors=1, Number of Contacts=5, Number Of PCB Rows=1, Option="General Purpose", PCB Contact Pattern=RECTANGULAR, Polarization Key="POLAR PIN POSITION", Pricing="1=0.75, 10=0.636, 25=0.5964, 50=0.568, 100=0.5408, 250=0.50688, 500=0.48264 (USD)", Reach SVHC Compliant=Yes, Reference Standard=UL, Reliability=COMMERCIAL, RoHS=Yes, RoHS Compliant=Yes, Shell Finish=Tin, Shell Material="Stainless Steel", Stock=37888, Supplier=Digikey, Terminal Pitch=0.6604mm, Termination=SMD/SMT
J8: library part "Con 10pos 2row Header 1.27mm Surface", "Power Field-Effect Transistor, 6A I(D), 30V, 0.042ohm, 1-Element, P-Channel, Silicon, Metal-oxide Semiconductor FET", Manufacturer=Toshiba, Manufacturer Part Number=SSM3J372R,LF, Supplier Part Number=SSM3J372RLFCT-ND, Category=LDO, Pricing="1=0.35, 10=0.212, 100=0.1187, 500=0.09766, 1000=0.09135 (USD)", RoHS=No, Stock=78536, Supplier=Digikey
LS1: library part "LS Buzzer CEM-1203(42)", "Audio Signaling/Alarm Devices", Manufacturer="Same Sky", Supplier Part Number=102-1153-ND, Category=Buzzers, ComponentLink1Description=https://www.cuidevices.com/product/resource/digikeypdf/cem-1203-42-.pdf?src-supplier=Digikey, ComponentLink1URL=https://www.cuidevices.com/product/resource/digikeypdf/cem-1203-42-.pdf?src-supplier=Digikey, ComponentLink2Description=https://datasheet.octopart.com/CEM-1203%2842%29-CUI-Devices-datasheet-175926661.pdf?src-supplier=Future+Electronics, ComponentLink2URL=https://datasheet.octopart.com/CEM-1203%2842%29-CUI-Devices-datasheet-175926661.pdf?src-supplier=Future+Electronics, ComponentLink3Description=https://datasheet.octopart.com/CEM-1203%2842%29-Same-Sky-datasheet-184673004.pdf?src-supplier=Electro+Sonic, ComponentLink3URL=https://datasheet.octopart.com/CEM-1203%2842%29-Same-Sky-datasheet-184673004.pdf?src-supplier=Electro+Sonic, ComponentLink4Description=https://datasheet.octopart.com/CEM-1203%2842%29-CUI-Devices-datasheet-175925305.pdf?src-supplier=Master+Electronics, ComponentLink4URL=https://datasheet.octopart.com/CEM-1203%2842%29-CUI-Devices-datasheet-175925305.pdf?src-supplier=Master+Electronics, Manufacturer Part Number=CEM-1203(42), Pricing="1=0.66, 10=0.538, 25=0.4956, 50=0.4658, 100=0.438, 250=0.40372, 500=0.37968, 1000=0.3588 (USD)", RoHS=Yes, Stock=15952, Supplier=Digikey
PMOS1 PMOS2: library part "MOS PMOS 30V 6A", "Power Field-Effect Transistor, 6A I(D), 30V, 0.042ohm, 1-Element, P-Channel, Silicon, Metal-oxide Semiconductor FET", Manufacturer=Toshiba, Manufacturer Part Number=SSM3J372R,LF, Supplier Part Number=SSM3J372RLFCT-ND, Category=LDO, Pricing="1=0.35, 10=0.217, 100=0.1361, 500=0.10106, 1000=0.08971 (USD)", RoHS=No, Stock=64640, Supplier=Digikey
Q1 Q2 Q3 Q4 Q5 Q6 Q7: library part "MOS NMOS 20V 1A SOT323", "Small Signal Field-Effect Transistor, 1A I(D), 20V, 1-Element, N-Channel, Silicon, Metal-oxide Semiconductor FET", Drain Current-Max (Abs) (ID)=1A, Drain-source On Resistance-Max=450mR, DS Breakdown Voltage-Min=20V, Manufacturer="Diodes Zetex", Manufacturer Part Number=DMG1012UW-7, Max Operating Temperature=150°C, Operating Mode="ENHANCEMENT MODE", Package Body Material=Plastic, Package Shape=Rectangular, Package Style="SMALL OUTLINEMeter", Peak Reflow Temperature (Cel)=260°C, Power Dissipation-Max (Abs)=290mW, Supplier Part Number=DMG1012UW-7DICT-ND, Time @ Peak Reflow Temperature-Max (s)=40s, Additional Feature="HIGH RELIABILITY", Category=MOSFETs, ComponentLink1Description=https://datasheet.ciiva.com:443/pdfs/VipMasterIC/IC/DIOD/DIOD-S-A0009689761/DIOD-S-A0009691185-1.pdf?src-supplier=IHS+Markit, ComponentLink1URL=https://datasheet.ciiva.com:443/pdfs/VipMasterIC/IC/DIOD/DIOD-S-A0009689761/DIOD-S-A0009691185-1.pdf?src-supplier=IHS+Markit, ComponentLink2Description=https://datasheet.ciiva.com/11174/ds31859-11174966.pdf?src-supplier=Avnet, ComponentLink2URL=https://datasheet.ciiva.com/11174/ds31859-11174966.pdf?src-supplier=Avnet, ComponentLink3Description=https://datasheet.ciiva.com/4443/ds31859-90313-4443117.pdf?src-supplier=Mouser, ComponentLink3URL=https://datasheet.ciiva.com/4443/ds31859-90313-4443117.pdf?src-supplier=Mouser, ComponentLink4Description=https://datasheet.ciiva.com/6383/ds31859-6383798.pdf?src-supplier=Digikey, ComponentLink4URL=https://datasheet.ciiva.com/6383/ds31859-6383798.pdf?src-supplier=Digikey, ComponentLink5Description=https://datasheet.ciiva.com/6383/ds31859-6383800.pdf?src-supplier=Digikey, ComponentLink5URL=https://datasheet.ciiva.com/6383/ds31859-6383800.pdf?src-supplier=Digikey, Drain Current-Max (ID)=1A, FET Technology="METAL-OXIDE SEMICONDUCTOR", JESD-30 Code=R-PDSO-G3, JESD-609 Code=e3, Moisture Sensitivity Level=1, Number of Elements=1, Pins=3, Polarity/Channel Type=N-CHANNEL, Pricing="1=0.28, 10=0.143, 100=0.0714, 500=0.06828 (USD)", Qualification Status="Not Qualified", Reach SVHC Compliant=Yes, Reference Standard=AEC-Q101, RoHS=Yes, RoHS Compliant=Yes, Stock=318650, Supplier=Digikey, Surface Mount=Yes, Terminal Finish=Tin, Terminal Form="Gull Wing", Terminal Position=DUAL, Transistor Application=SWITCHING, Transistor Element Material=SILICON
R1 R2 R3 R4 R5 R6 R22 R23 R24: library part "RES 20K 0.1% 0.125W 0805", "Fixed Resistor, Thin Film, 0.125W, 20000ohm, 150V, 0.1% +/-Tol, 25ppm/Cel, Surface Mount, 0805", Case/Package=0805, Manufacturer=Susumu, Manufacturer Part Number=RG2012P-203-B-T5, Max Operating Temperature=155°C, Min Operating Temperature=-55°C, Package Height=0.4mm, Package Length=2mm, Package Width=1.25mm, Power=250mW, Rated Temperature=70°C, Resistor Type="FIXED RESISTOR", Supplier Part Number=RG20P20.0KBCT-ND, Temperature Coefficient (ppm/Cel)=25, Tolerance=0.1%, Working Voltage=150V, Additional Feature="ANTI-SULFUR, PRECISION", Category="Chip SMD Resistors", ComponentLink1Description=https://datasheet.ciiva.com:443/pdfs/VipMasterIC/IC/SUSU/SUSU-S-A0004582566/SUSU-S-A0004582566-1.pdf?src-supplier=IHS+Markit, ComponentLink1URL=https://datasheet.ciiva.com:443/pdfs/VipMasterIC/IC/SUSU/SUSU-S-A0004582566/SUSU-S-A0004582566-1.pdf?src-supplier=IHS+Markit, ComponentLink2Description=https://datasheet.ciiva.com/2488/rg-data-sheet-2488618.pdf?src-supplier=Digikey, ComponentLink2URL=https://datasheet.ciiva.com/2488/rg-data-sheet-2488618.pdf?src-supplier=Digikey, ComponentLink3Description=https://datasheet.ciiva.com/2488/rg-data-sheet-2488619.pdf?src-supplier=Digikey, ComponentLink3URL=https://datasheet.ciiva.com/2488/rg-data-sheet-2488619.pdf?src-supplier=Digikey, ComponentLink4Description=https://datasheet.ciiva.com/2488/rg-data-sheet-2488620.pdf?src-supplier=Digikey, ComponentLink4URL=https://datasheet.ciiva.com/2488/rg-data-sheet-2488620.pdf?src-supplier=Digikey, ComponentLink5Description=https://datasheet.ciiva.com/5624/rg-rm-rgh-datasheet-5624652.pdf?src-supplier=Mouser, ComponentLink5URL=https://datasheet.ciiva.com/5624/rg-rm-rgh-datasheet-5624652.pdf?src-supplier=Mouser, ComponentLink6Description=https://datasheet.ciiva.com/17424/rg-rm-rgh-datasheet-17424937.pdf?src-supplier=Future+Electronics, ComponentLink6URL=https://datasheet.ciiva.com/17424/rg-rm-rgh-datasheet-17424937.pdf?src-supplier=Future+Electronics, Construction=Rectangular, JESD-609 Code=e3, Mounting Technology="Surface Mount", Packaging="Tape and Reel", Pins=2, Pricing="1=0.1, 10=0.1, 50=0.0976, 100=0.0922, 500=0.07576, 1000=0.06825 (USD)", Reach SVHC Compliant=Yes, Reference Standard=AEC-Q200, RoHS=Yes, RoHS Compliant=Yes, Stock=60124, Supplier=Digikey, Technology="THIN FILM", Terminal Finish=Nickel, Termination=Wraparound